# KiCad board poly_kb.kicad_pcb (continued)
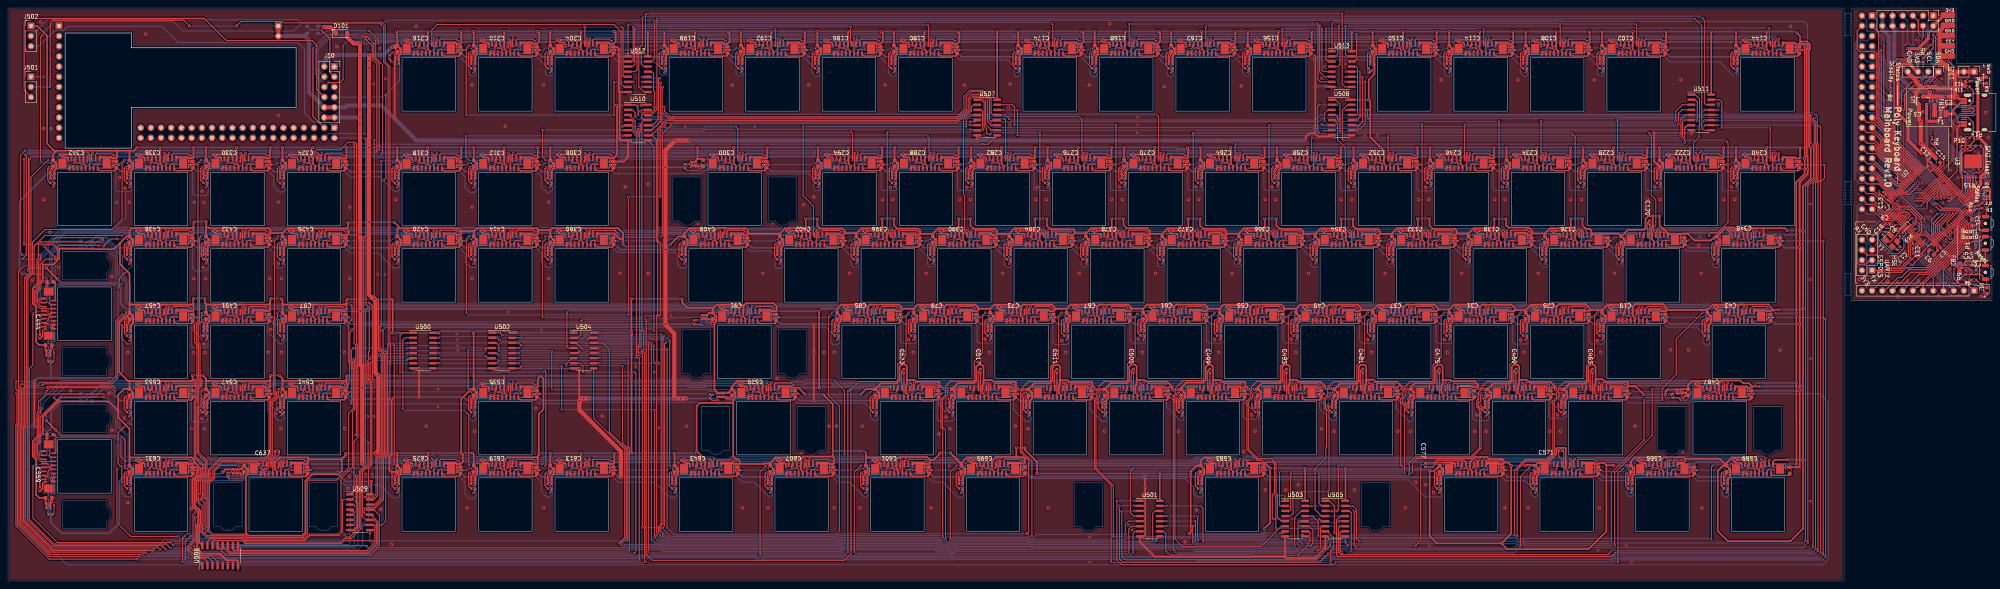
[diagram p0: board, top side]
## Routing (per net, layer and track width the routed paths; a pad name or vN(x,y) marks a point on that pad's centre or on a via; arc(x,y) is an arc through that point) (continued)
  Bottom w0.292: v2(119.76,85.46) 119.92,85.62 120.94,85.62 120.97,85.65 121.6,85.65 v2(122.02,85.23)
Net-(C416-Pad1): length 5.5
  Top w0.292: J153.15 127.71,83.26 130.64,83.26 130.64,83.26 131.44,83.26 131.72,83.54 C416.1
Net-(C419-Pad1): length 12.4
  Top w0.292: C419.1 95.62,80.9 95.62,83.8 v2(95.92,84.11) ; v2(102.18,85.06) 102.18,85.95 J154.4
  Bottom w0.292: v2(95.92,84.11) 96.7,84.88 100.99,84.88 101.17,85.06 v2(102.18,85.06)
Net-(C419-Pad2): length 11.7
  Top w0.292: 102.67,83.82 102.95,83.82 J154.5 ; v2(96.85,79.09) 97.28,79.52 C419.2
  Bottom w0.292: 102.67,83.82 102.51,83.66 97.63,83.66 97.05,83.09 97.05,79.3 v2(96.85,79.09)
  vias: v2(102.67,83.82)
Net-(C420-Pad1): length 4.7
  Top w0.292: C420.1 99.6,87.34 103.04,87.34 103.53,86.86 J154.6
Net-(C420-Pad2): length 8.1
  Top w0.292: J154.7 104.03,84.89 103.69,85.23 v2(102.97,85.23) ; v2(100.71,85.46) 100.71,86.33 100.4,86.64 99.27,86.64 C420.2
  Bottom w0.292: v2(100.71,85.46) 100.87,85.62 101.88,85.62 101.9,85.64 102.55,85.64 v2(102.97,85.23)
Net-(C422-Pad1): length 5.5
  Top w0.292: J154.15 108.66,83.26 111.59,83.26 111.59,83.26 112.39,83.26 112.67,83.54 C422.1
Net-(C425-Pad1): length 12.3
  Top w0.292: C425.1 67.04,80.9 67.04,83.8 v2(67.35,84.11) ; J155.4 73.55,85.9 v2(73.55,85.04)
  Bottom w0.292: v2(73.55,85.04) 72.57,85.04 72.41,84.88 68.12,84.88 v2(67.35,84.11)
Net-(C425-Pad2): length 11.7
  Top w0.292: 74.09,83.82 74.37,83.82 J155.5 ; v2(68.27,79.09) 68.7,79.52 C425.2
  Bottom w0.292: 74.09,83.82 73.93,83.66 69.05,83.66 68.48,83.09 68.48,79.3 v2(68.27,79.09)
  vias: v2(74.09,83.82)
Net-(C426-Pad1): length 4.7
  Top w0.292: C426.1 71.03,87.34 74.47,87.34 74.95,86.86 J155.6
Net-(C426-Pad2): length 8.1
  Top w0.292: J155.7 75.45,84.89 75.11,85.23 v2(74.4,85.23) ; v2(72.13,85.46) 72.13,86.33 71.82,86.64 70.69,86.64 C426.2
  Bottom w0.292: v2(72.13,85.46) 72.29,85.62 73.26,85.62 73.27,85.62 73.83,85.62 74.23,85.23 v2(74.4,85.23)
Net-(C428-Pad1): length 5.5
  Top w0.292: J155.15 80.09,83.26 83.01,83.26 83.01,83.26 83.82,83.26 84.1,83.54 C428.1
Net-(C431-Pad1): length 12.2
  Top w0.292: J156.4 54.54,85.94 v2(54.54,85.06) ; C431.1 48.69,80.4 48.1,80.99 48.1,81.69 48.13,81.71 48.13,83.9 v2(48.33,84.1)
  Bottom w0.292: v2(54.54,85.06) 53.52,85.06 53.32,84.86 49.09,84.86 v2(48.33,84.1)
Net-(C431-Pad2): length 11.6
  Top w0.292: 55.04,83.82 55.32,83.82 J156.5 ; v2(49.22,79.09) 49.65,79.52 C431.2
  Bottom w0.292: 55.04,83.82 54.88,83.66 50.09,83.66 49.22,82.78 v2(49.22,79.09)
  vias: v2(55.04,83.82)
Net-(C432-Pad1): length 4.7
  Top w0.292: C432.1 51.98,87.34 55.42,87.34 55.9,86.86 J156.6
Net-(C432-Pad2): length 8.1
  Top w0.292: J156.7 56.4,84.89 56.06,85.23 v2(55.35,85.23) ; v2(53.09,85.46) 53.09,86.32 52.77,86.64 51.64,86.64 C432.2
  Bottom w0.292: v2(53.09,85.46) 53.25,85.62 54.25,85.62 54.27,85.64 54.82,85.64 55.24,85.23 v2(55.35,85.23)
Net-(C434-Pad1): length 5.5
  Top w0.292: J156.15 61.04,83.26 63.96,83.26 63.96,83.26 64.77,83.26 65.05,83.54 C434.1
Net-(C437-Pad1): length 12.3
  Top w0.292: C437.1 28.94,80.9 28.94,83.8 v2(29.25,84.11) ; v2(35.48,85.06) 35.48,85.93 J157.4
  Bottom w0.292: v2(29.25,84.11) 30,84.86 34.3,84.86 34.49,85.06 v2(35.48,85.06)
Net-(C437-Pad2): length 11.7
  Top w0.292: 35.99,83.82 36.27,83.82 J157.5 ; v2(30.17,79.09) 30.6,79.52 C437.2
  Bottom w0.292: 35.99,83.82 35.83,83.66 30.95,83.66 30.38,83.09 30.38,79.3 v2(30.17,79.09)
  vias: v2(35.99,83.82)
Net-(C438-Pad1): length 4.7
  Top w0.292: C438.1 32.93,87.34 36.37,87.34 36.85,86.86 J157.6
Net-(C438-Pad2): length 8.1
  Top w0.292: J157.7 37.35,84.89 37.01,85.23 v2(36.3,85.23) ; v2(34.04,85.46) 34.04,86.32 33.72,86.64 32.59,86.64 C438.2
  Bottom w0.292: v2(36.3,85.23) 36.17,85.23 35.76,85.64 35.2,85.64 35.18,85.62 34.2,85.62 v2(34.04,85.46)
Net-(C440-Pad1): length 5.5
  Top w0.292: J157.15 41.99,83.26 44.91,83.26 44.91,83.26 45.72,83.26 46,83.54 C440.1
Net-(C443-Pad1): length 11.1
  Top w0.292: 9.99,55.06 v2(9.99,55.23) 9.99,54.71 C443.1 ; J158.4 9.24,64.11 v2(10.12,64.11)
  Bottom w0.292: v2(9.99,55.23) 9.99,63.99 v2(10.12,64.11)
Net-(C443-Pad2): length 10.5
  Top w0.25: v2(11.44,56.95) 11.44,54.99 C443.2
  Top w0.292: 11.42,64.56 11.42,64.84 J158.5
  Bottom w0.25: v2(11.44,56.95) 11.42,56.97 v2(11.42,64.55)
Net-(C444-Pad1): length 4.7
  Top w0.292: C444.1 7.9,61.49 7.9,64.93 8.38,65.41 J158.6
Net-(C444-Pad2): length 7.7
  Top w0.292: v2(10.02,64.86) 10.02,65.58 10.35,65.91 J158.7 ; v2(9.41,62.77) 8.98,62.77 8.6,62.39 8.6,61.16 C444.2
  Bottom w0.292: v2(9.41,62.77) 9.41,64.25 v2(10.02,64.86)
Net-(C446-Pad1): length 5.3
  Top w0.292: J158.15 11.81,70.38 11.81,74.45 11.7,74.56 C446.1
Net-(C450-Pad1): length 12.5
  Top w0.292: C450.1 48.44,61.15 v2(48.18,61.4) ; v2(54.56,66.02) 54.56,66.91 J27.4
  Bottom w0.292: v2(54.56,66.02) 53.73,66.02 53.38,65.66 49.06,65.66 47.87,64.48 47.87,61.71 v2(48.18,61.4)
Net-(C450-Pad2): length 11.7
  Top w0.292: 55.04,64.77 55.32,64.77 J27.5 ; v2(49.22,60.04) 49.65,60.47 C450.2
  Bottom w0.292: 55.04,64.77 54.87,64.6 49.93,64.6 49.41,64.07 49.41,60.22 v2(49.22,60.04)
  vias: v2(55.04,64.77)
Net-(C451-Pad1): length 4.7
  Top w0.292: C451.1 51.98,68.29 55.42,68.29 55.9,67.81 J27.6
Net-(C451-Pad2): length 8.3
  Top w0.292: J27.7 56.4,65.84 56.06,66.18 v2(55.35,66.18) ; v2(53.08,66.27) 53.08,67.28 52.77,67.59 51.64,67.59 C451.2
  Bottom w0.292: v2(53.08,66.27) 53.39,66.57 54.26,66.57 54.28,66.6 54.84,66.6 55.26,66.18 v2(55.35,66.18)
Net-(C453-Pad1): length 5.5
  Top w0.292: J27.15 61.04,64.21 63.96,64.21 63.96,64.21 64.77,64.21 65.05,64.49 C453.1
Net-(C456-Pad1): length 12.3
  Top w0.292: J28.4 35.54,66.93 v2(35.54,66.02) ; C456.1 29.01,61.78 29.01,64.75 v2(29.28,65.02)
  Bottom w0.292: v2(35.54,66.02) 34.51,66.02 34.32,65.83 30.1,65.83 v2(29.28,65.02)
Net-(C456-Pad2): length 11.9
  Top w0.292: 35.99,64.77 36.27,64.77 J28.5 ; C456.2 30.6,60.27 v2(30.22,59.89)
  Bottom w0.292: 35.99,64.77 35.83,64.61 31,64.61 30.38,63.98 30.38,60.04 v2(30.22,59.89)
  vias: v2(35.99,64.77)
Net-(C457-Pad1): length 4.7
  Top w0.292: C457.1 32.93,68.29 36.37,68.29 36.85,67.81 J28.6
Net-(C457-Pad2): length 8.1
  Top w0.292: J28.7 37.35,65.84 37.01,66.18 v2(36.3,66.18) ; C457.2 32.59,67.59 33.72,67.59 34.04,67.27 v2(34.04,66.41)
  Bottom w0.292: v2(34.04,66.41) 34.2,66.57 35.23,66.57 35.26,66.6 35.87,66.6 v2(36.3,66.18)
Net-(C459-Pad1): length 5.5
  Top w0.292: J28.15 41.99,64.21 44.91,64.21 44.91,64.21 45.72,64.21 46,64.49 C459.1
Net-(C462-Pad1): length 12.7
  Top w0.292: v2(392.74,47.03) 392.74,47.9 J29.4 ; v2(386.01,44.25) 386.01,42.64 386.55,42.1 C462.1
  Bottom w0.292: v2(386.01,44.25) 386.01,45.74 386.15,45.87 386.68,45.87 386.83,46.02 387.02,46.02 388.03,47.03 v2(392.74,47.03)
Net-(C462-Pad2): length 11.4
  Top w0.292: 393.18,45.72 393.46,45.72 J29.5 ; C462.2 387.79,41.85 v2(387.19,41.25)
  Bottom w0.292: 393.18,45.72 393.02,45.56 387.91,45.56 387.5,45.15 387.5,41.55 v2(387.19,41.25)
  vias: v2(393.18,45.72)
Net-(C463-Pad1): length 5
  Top w0.254: C463.1 393.97,52.34 393.97,48.26 J29.6
Net-(C463-Pad2): length 6.1
  Top w0.254: C463.2 394.54,51.94 J29.7
Net-(C465-Pad1): length 5.5
  Top w0.292: J29.15 399.17,45.16 402.1,45.16 402.1,45.16 402.9,45.16 403.19,45.44 C465.1
Net-(C468-Pad1): length 12.6
  Top w0.292: v2(373.69,47.03) 373.69,47.9 J30.4 ; v2(366.75,43.69) 367.2,43.24 367.2,42.68 C468.1
  Bottom w0.292: v2(373.69,47.03) 368.69,47.03 367.65,45.98 367.36,45.98 366.75,45.38 v2(366.75,43.69)
Net-(C468-Pad2): length 12.1
  Top w0.292: 374.13,45.72 374.41,45.72 J30.5 ; C468.2 368.74,41.79 v2(367.94,40.99)
  Bottom w0.292: v2(367.94,40.99) 368.24,41.29 368.24,44.99 368.8,45.55 373.96,45.55 374.13,45.72
  vias: v2(374.13,45.72)
Net-(C469-Pad1): length 5
  Top w0.254: C469.1 374.97,52.36 374.97,48.21 J30.6
Net-(C469-Pad2): length 6.2
  Top w0.254: 375.46,52 375.49,51.97 J30.7
Net-(C471-Pad1): length 5.5
  Top w0.292: J30.15 380.12,45.16 383.05,45.16 383.05,45.16 383.85,45.16 384.14,45.44 C471.1
Net-(C474-Pad1): length 12.4
  Top w0.292: v2(354.64,47.03) 354.64,47.9 J31.4 ; C474.1 348.13,42.7 348.13,44.25 v2(347.83,44.55)
  Bottom w0.292: v2(354.64,47.03) 349.68,47.03 348.71,46.06 348.54,46.06 347.83,45.34 v2(347.83,44.55)
Net-(C474-Pad2): length 11.8
  Top w0.292: 355.08,45.72 355.36,45.72 J31.5 ; v2(349.26,40.99) 349.69,41.42 C474.2
  Bottom w0.292: v2(349.26,40.99) 349.48,41.21 349.48,45.17 349.87,45.56 354.92,45.56 355.08,45.72
  vias: v2(355.08,45.72)
Net-(C475-Pad1): length 5.1
  Top w0.254: C475.1 356.41,52.91 355.85,52.34 355.85,48.29 J31.6
Net-(C475-Pad2): length 6.2
  Top w0.254: J31.7 356.44,52 C475.2
Net-(C477-Pad1): length 5.5
  Top w0.292: J31.15 361.07,45.16 364,45.16 364,45.16 364.8,45.16 365.09,45.44 C477.1
Net-(C480-Pad1): length 12.4
  Top w0.292: v2(335.59,47.03) 335.59,47.9 J32.4 ; C480.1 328.8,42.97 v2(328.8,43.97)
  Bottom w0.292: v2(335.59,47.03) 334.5,47.03 334.2,46.72 330.51,46.72 329.74,45.96 329.45,45.96 328.8,45.31 v2(328.8,43.97)
Net-(C480-Pad2): length 11.8
  Top w0.292: 336.03,45.72 336.31,45.72 J32.5 ; v2(330.21,40.99) 330.64,41.42 C480.2
  Bottom w0.292: v2(330.21,40.99) 330.38,41.16 330.38,45.07 330.87,45.56 335.87,45.56 336.03,45.72
  vias: v2(336.03,45.72)
Net-(C481-Pad1): length 5
  Top w0.254: C481.1 336.82,52.39 336.82,48.26 J32.6
Net-(C481-Pad2): length 6.2
  Top w0.254: J32.7 C481.2
Net-(C483-Pad1): length 5.5
  Top w0.292: J32.15 342.02,45.16 344.95,45.16 344.95,45.16 345.75,45.16 346.04,45.44 C483.1
Net-(C486-Pad1): length 12.4
  Top w0.292: J33.4 423.67,47.88 v2(423.67,46.97) ; v2(413.72,46.53) 414.4,46.53 C486.1
  Bottom w0.292: v2(413.72,46.53) 413.94,46.76 422.44,46.76 422.65,46.97 v2(423.67,46.97)
Net-(C486-Pad2): length 10.6
  Top w0.292: 424.14,45.72 424.42,45.72 J33.5 ; v2(416.61,45.03) 415.95,45.7 C486.2
  Bottom w0.292: 424.14,45.72 423.98,45.56 418.35,45.56 417.83,45.03 ; 417.83,45.03 v2(416.61,45.03) ; 417.83,45.03 417.86,45.06
  vias: v2(424.14,45.72)
Net-(C487-Pad1): length 4.7
  Top w0.292: C487.1 421.07,49.24 424.51,49.24 424.99,48.76 J33.6
Net-(C487-Pad2): length 8.1
  Top w0.292: J33.7 425.49,46.79 425.16,47.13 v2(424.44,47.13) ; v2(422.19,47.37) 422.19,48.22 421.87,48.54 420.74,48.54 C487.2
  Bottom w0.292: v2(422.19,47.37) 422.35,47.53 423.37,47.53 423.39,47.55 424.01,47.55 v2(424.44,47.13)
Net-(C489-Pad1): length 5.5
  Top w0.292: J33.15 430.13,45.16 433.06,45.16 433.06,45.16 433.86,45.16 434.14,45.44 C489.1
Net-(C492-Pad1): length 12.5
  Top w0.292: v2(316.54,47.03) 316.54,47.9 J34.4 ; v2(309.78,43.92) 309.78,42.95 C492.1
  Bottom w0.292: v2(309.78,43.92) 309.78,45.51 310.32,46.06 310.78,46.06 311.75,47.03 v2(316.54,47.03)
Net-(C492-Pad2): length 11.9
  Top w0.292: 316.98,45.72 317.26,45.72 J34.5 ; C492.2 311.59,41.46 v2(311.12,40.99)
  Bottom w0.292: v2(311.12,40.99) 311.28,41.15 311.28,45.18 311.65,45.55 316.81,45.55 316.98,45.72
  vias: v2(316.98,45.72)
Net-(C493-Pad1): length 5
  Top w0.254: J34.6 317.77,48.26 317.77,52.34 C493.1
Net-(C493-Pad2): length 6.1
  Top w0.254: C493.2 318.34,49.06 318.34,49.06 J34.7
Net-(C495-Pad1): length 5.5
  Top w0.292: J34.15 322.97,45.16 325.9,45.16 325.9,45.16 326.7,45.16 326.99,45.44 C495.1
Net-(C498-Pad1): length 12.2
  Top w0.292: v2(297.49,47.03) 297.49,47.9 J35.4 ; v2(291.01,45.66) 290.98,45.62 290.98,42.7 C498.1
  Bottom w0.292: v2(291.01,45.66) 291.16,45.81 291.66,45.81 292.88,47.03 v2(297.49,47.03)
Net-(C498-Pad2): length 11.7
  Top w0.292: 297.93,45.72 298.21,45.72 J35.5 ; v2(292.11,40.99) 292.54,41.42 C498.2
  Bottom w0.292: v2(292.11,40.99) 292.33,41.21 292.33,45.05 292.84,45.56 297.77,45.56 297.93,45.72
  vias: v2(297.93,45.72)
Net-(C499-Pad1): length 5
  Top w0.254: C499.1 298.72,52.34 298.72,48.26 J35.6
Net-(C499-Pad2): length 6.1
  Top w0.254: C499.2 J35.7
Net-(C501-Pad1): length 5.5
  Top w0.292: J35.15 303.92,45.16 306.85,45.16 306.85,45.16 307.65,45.16 307.94,45.44 C501.1
Net-(C504-Pad1): length 12.7
  Top w0.292: v2(278.44,47.03) 278.44,47.9 J36.4 ; C504.1 271.47,43.15 v2(271.47,45.01)
  Bottom w0.292: v2(278.44,47.03) 273.65,47.03 272.35,45.73 271.76,45.73 271.47,45.44 v2(271.47,45.01)
Net-(C504-Pad2): length 11.9
  Top w0.292: 278.88,45.72 279.16,45.72 J36.5 ; C504.2 273.49,41.56 v2(272.92,40.99)
  Bottom w0.292: v2(272.92,40.99) 273.08,41.15 273.08,44.92 273.72,45.56 278.72,45.56 278.88,45.72
  vias: v2(278.88,45.72)
Net-(C505-Pad1): length 5
  Top w0.254: J36.6 279.67,48.26 279.67,52.36 C505.1
Net-(C505-Pad2): length 6.2
  Top w0.254: C505.2 280.24,51.97 J36.7
Net-(C507-Pad1): length 5.5
  Top w0.292: J36.15 284.87,45.16 287.8,45.16 287.8,45.16 288.6,45.16 288.89,45.44 C507.1
Net-(C510-Pad1): length 12.1
  Top w0.292: v2(259.39,47.01) 259.39,47.9 J37.4 ; v2(253.09,45.79) 252.9,45.6 252.9,42.68 C510.1
  Bottom w0.292: v2(253.09,45.79) 253.24,45.95 253.47,45.95 254.53,47.01 v2(259.39,47.01)
Net-(C510-Pad2): length 11.5
  Top w0.292: 259.83,45.72 260.11,45.72 J37.5 ; v2(254.01,40.99) 254.44,41.42 C510.2
  Bottom w0.292: 259.83,45.72 259.67,45.56 255.02,45.56 254.01,44.54 v2(254.01,40.99)
  vias: v2(259.83,45.72)
Net-(C511-Pad1): length 5
  Top w0.25: J37.6 260.57,48.31 260.57,52.24 C511.1
Net-(C511-Pad2): length 6.1
  Top w0.254: C511.2 261.19,49.46
  Top w0.292: J37.7 261.19,49.46
Net-(C513-Pad1): length 5.5
  Top w0.292: J37.15 265.82,45.16 268.75,45.16 268.75,45.16 269.55,45.16 269.84,45.44 C513.1
Net-(C516-Pad1): length 12.5
  Top w0.292: v2(233.58,43.13) 233.58,42.95 C516.1 ; v2(240.34,47.01) 240.34,47.9 J38.4
  Bottom w0.292: v2(240.34,47.01) 236.75,47.01 236.3,46.56 234.64,46.56 233.58,45.5 v2(233.58,43.13)
Net-(C516-Pad2): length 11.8
  Top w0.292: 240.78,45.72 241.06,45.72 J38.5 ; v2(234.96,40.99) 235.39,41.42 C516.2
  Bottom w0.292: 240.78,45.72 240.61,45.55 235.48,45.55 235.13,45.2 235.13,41.16 v2(234.96,40.99)
  vias: v2(240.78,45.72)
Net-(C517-Pad1): length 5.5
  Top w0.254: C517.1 241.57,52.26 241.57,48.26 J38.6
  Top w0.292: J38.6 241.64,48.76
Net-(C517-Pad2): length 6.1
  Top w0.254: C517.2 J38.7
Net-(C519-Pad1): length 5.5
  Top w0.292: J38.15 246.77,45.16 249.7,45.16 249.7,45.16 250.5,45.16 250.79,45.44 C519.1
Net-(C522-Pad1): length 12.4
  Top w0.292: C522.1 214.68,42.8 214.68,45.7 v2(214.99,46.01) ; v2(221.3,46.98) 221.3,47.91 J39.4
  Bottom w0.292: v2(214.99,46.01) 215.96,46.98 v2(221.3,46.98)
Net-(C522-Pad2): length 11.7
  Top w0.292: 221.73,45.72 222.01,45.72 J39.5 ; v2(215.91,40.99) 216.34,41.42 C522.2
  Bottom w0.292: 221.73,45.72 221.57,45.56 216.69,45.56 216.12,44.99 216.12,41.2 v2(215.91,40.99)
  vias: v2(221.73,45.72)
Net-(C523-Pad1): length 4.9
  Top w0.254: 223.09,52.81 223.09,52.81 ; J39.6 222.5,48.29 222.5,52.26 C523.1
Net-(C523-Pad2): length 6.1
  Top w0.254: J39.7 223.09,51.84 C523.2
Net-(C525-Pad1): length 5.5
  Top w0.292: J39.15 227.72,45.16 230.65,45.16 230.65,45.16 231.45,45.16 231.74,45.44 C525.1
Net-(C528-Pad1): length 12.4
  Top w0.292: v2(175.56,46.44) 174.87,46.44 C528.1 ; v2(185.53,46.96) 185.53,47.85 J40.4
  Bottom w0.292: v2(175.56,46.44) 175.88,46.76 184.32,46.76 184.52,46.96 v2(185.53,46.96)
Net-(C528-Pad2): length 12.3
  Top w0.25: v2(176.83,45.05) 175.31,45.05 C528.2
  Top w0.292: 186.01,45.72 186.29,45.72 J40.5
  Bottom w0.25: v2(176.83,45.05) 177.04,44.84 180.25,44.84 180.4,44.99
  Bottom w0.292: 186.01,45.72 185.85,45.56 180.97,45.56 180.4,44.99
  vias: v2(186.01,45.72)
Net-(C529-Pad1): length 4.7
  Top w0.292: C529.1 182.95,49.24 186.39,49.24 186.87,48.76 J40.6
Net-(C529-Pad2): length 8.1
  Top w0.292: J40.7 187.37,46.79 187.03,47.13 v2(186.31,47.13) ; C529.2 182.61,48.54 183.74,48.54 184.06,48.22 v2(184.06,47.36)
  Bottom w0.292: v2(186.31,47.13) 186.22,47.13 185.8,47.55 185.25,47.55 185.22,47.52 184.22,47.52 v2(184.06,47.36)
Net-(C531-Pad1): length 5.5
  Top w0.292: J40.15 192,45.16 194.93,45.16 194.93,45.16 195.74,45.16 196.02,45.44 C531.1
Net-(C534-Pad1): length 12.3
  Top w0.292: v2(121.28,47.03) 121.28,47.9 J41.4 ; C534.1 114.67,42.8 114.67,45.7 v2(114.97,46.01)
  Bottom w0.292: v2(114.97,46.01) 115.73,46.76 119.93,46.76 120.19,47.03 v2(121.28,47.03)
Net-(C534-Pad2): length 11.7
  Top w0.292: 121.72,45.72 122,45.72 J41.5 ; v2(115.9,40.99) 116.33,41.42 C534.2
  Bottom w0.292: 121.72,45.72 121.56,45.56 116.68,45.56 116.1,44.99 116.1,41.2 v2(115.9,40.99)
  vias: v2(121.72,45.72)
Net-(C535-Pad1): length 4.7
  Top w0.292: C535.1 118.65,49.24 122.09,49.24 122.57,48.76 J41.6
Net-(C535-Pad2): length 8
  Top w0.292: J41.7 123.07,46.79 122.74,47.13 v2(122.02,47.13) ; C535.2 118.32,48.54 119.45,48.54 119.77,48.22 v2(119.77,47.48)
  Bottom w0.292: v2(119.77,47.48) 119.93,47.64 121.51,47.64 v2(122.02,47.13)
Net-(C537-Pad1): length 5.5
  Top w0.292: J41.15 127.71,45.16 130.64,45.16 130.64,45.16 131.44,45.16 131.72,45.44 C537.1
Net-(C540-Pad1): length 12.3
  Top w0.292: C540.1 66.97,42.87 v2(66.97,43.27) ; J42.4 73.53,47.78 v2(73.53,46.94)
  Bottom w0.292: v2(73.53,46.94) 72.59,46.94 72.41,46.76 68.19,46.76 66.97,45.55 v2(66.97,43.27)
Net-(C540-Pad2): length 12
  Top w0.292: 74.09,45.72 74.37,45.72 J42.5 ; v2(67.86,41.03) 68.7,41.88 C540.2
  Bottom w0.292: v2(67.86,41.03) 68.17,41.34 68.17,44.81 68.92,45.56 73.93,45.56 74.09,45.72
  vias: v2(74.09,45.72)
Net-(C541-Pad1): length 4.7
  Top w0.292: C541.1 71.03,49.24 74.47,49.24 74.95,48.76 J42.6
Net-(C541-Pad2): length 8
  Top w0.292: J42.7 75.45,46.79 75.11,47.13 v2(74.4,47.13) ; v2(72.16,47.37) 72.16,48.21 71.82,48.54 70.69,48.54 C541.2
  Bottom w0.292: v2(72.16,47.37) 72.33,47.54 73.98,47.54 v2(74.4,47.13)
Net-(C543-Pad1): length 5.5
  Top w0.292: J42.15 80.09,45.16 83.01,45.16 83.01,45.16 83.82,45.16 84.1,45.44 C543.1
Net-(C546-Pad1): length 12.4
  Top w0.292: v2(48.06,42.52) 48.48,42.1 C546.1 ; v2(54.52,46.95) 54.52,47.82 J43.4
  Bottom w0.292: v2(48.06,42.52) 48.06,45.68 49.08,46.71 53.45,46.71 53.7,46.95 v2(54.52,46.95)
Net-(C546-Pad2): length 11.5
  Top w0.292: 55.04,45.72 55.32,45.72 J43.5 ; C546.2 49.65,41.8 v2(49.04,41.19)
  Bottom w0.292: 55.04,45.72 54.87,45.55 49.86,45.55 49.28,44.97 49.28,41.42 v2(49.04,41.19)
  vias: v2(55.04,45.72)
Net-(C547-Pad1): length 4.7
  Top w0.292: C547.1 51.98,49.24 55.42,49.24 55.9,48.76 J43.6
Net-(C547-Pad2): length 8.1
  Top w0.292: J43.7 56.4,46.79 56.06,47.13 v2(55.35,47.13) ; v2(53.17,47.29) 53.17,48.15 52.77,48.54 51.64,48.54 C547.2
  Bottom w0.292: v2(53.17,47.29) 53.41,47.52 54.23,47.52 54.25,47.53 54.8,47.53 55.21,47.13 v2(55.35,47.13)
Net-(C549-Pad1): length 5.5
  Top w0.292: J43.15 61.04,45.16 63.96,45.16 63.96,45.16 64.77,45.16 65.05,45.44 C549.1
Net-(C552-Pad1): length 12.3
  Top w0.292: C552.1 28.94,42.8 28.94,45.7 v2(29.25,46.01) ; J44.4 35.38,47.73 v2(35.38,46.93)
  Bottom w0.292: v2(29.25,46.01) 30.02,46.78 34.34,46.78 34.49,46.93 v2(35.38,46.93)
Net-(C552-Pad2): length 11.7
  Top w0.292: 35.99,45.72 36.27,45.72 J44.5 ; v2(30.17,40.99) 30.6,41.42 C552.2
  Bottom w0.292: 35.99,45.72 35.83,45.56 30.95,45.56 30.38,44.99 30.38,41.2 v2(30.17,40.99)
  vias: v2(35.99,45.72)
Net-(C553-Pad1): length 4.7
  Top w0.292: C553.1 32.93,49.24 36.37,49.24 36.85,48.76 J44.6
Net-(C553-Pad2): length 8
  Top w0.292: J44.7 37.35,46.79 37.01,47.13 v2(36.3,47.13) ; v2(34.06,47.36) 34.06,48.21 33.72,48.54 32.59,48.54 C553.2
  Bottom w0.292: v2(34.06,47.36) 34.22,47.52 35.9,47.52 v2(36.3,47.13)
Net-(C555-Pad1): length 5.5
  Top w0.292: J44.15 42.03,45.12 45.67,45.12 46,45.44 C555.1
Net-(C558-Pad1): length 11.1
  Top w0.292: J45.4 9.25,26.03 v2(10.12,26.03) ; 10,16.97 v2(10,17.14) 10,16.63 C558.1
  Bottom w0.292: v2(10.12,26.03) 10,25.9 v2(10,17.14)
Net-(C558-Pad2): length 10.5
  Top w0.25: C558.2 11.45,16.91 v2(11.45,18.86)
  Top w0.292: 11.43,26.47 11.43,26.75 J45.5
  Bottom w0.25: v2(11.45,18.86) 11.43,18.88 v2(11.43,26.47)
Net-(C559-Pad1): length 4.7
  Top w0.292: J45.6 8.39,27.33 7.91,26.84 7.91,23.4 C559.1
Net-(C559-Pad2): length 7.7
  Top w0.292: J45.7 10.36,27.83 10.02,27.49 v2(10.02,26.77) ; C559.2 8.61,23.07 8.61,24.3 8.99,24.69 v2(9.42,24.69)
  Bottom w0.292: v2(10.02,26.77) 9.42,26.17 v2(9.42,24.69)
Net-(C561-Pad1): length 5.4
  Top w0.292: C561.1 11.71,36.47 11.91,36.27 11.91,32.39 J45.15
Net-(C564-Pad1): length 12.3
  Top w0.292: v2(409.41,27.98) 409.41,28.85 J46.4 ; C564.1 402.8,23.75 402.8,26.65 v2(403.1,26.96)
  Bottom w0.292: v2(409.41,27.98) 408.32,27.98 408.06,27.71 404.03,27.71 403.28,26.96 v2(403.1,26.96)
Net-(C564-Pad2): length 11.7
  Top w0.292: 409.85,26.67 410.13,26.67 J46.5 ; v2(404.03,21.94) 404.46,22.37 C564.2
  Bottom w0.292: 409.85,26.67 409.69,26.51 404.81,26.51 404.24,25.94 404.24,22.15 v2(404.03,21.94)
  vias: v2(409.85,26.67)
Net-(C565-Pad1): length 4.7
  Top w0.292: C565.1 406.78,30.19 410.22,30.19 410.71,29.71 J46.6
Net-(C565-Pad2): length 8
  Top w0.292: J46.7 411.21,27.74 410.87,28.08 v2(410.15,28.08) ; C565.2 406.45,29.49 407.58,29.49 407.9,29.17 v2(407.9,28.43)
  Bottom w0.292: v2(407.9,28.43) 408.06,28.59 409.64,28.59 v2(410.15,28.08)
Net-(C567-Pad1): length 5.5
  Top w0.292: J46.15 415.84,26.11 418.77,26.11 418.77,26.11 419.57,26.11 419.86,26.39 C567.1
Net-(C570-Pad1): length 12.3
  Top w0.292: v2(385.6,27.98) 385.6,28.85 J47.4 ; v2(379.29,26.88) 378.99,26.58 378.99,23.75 C570.1
  Bottom w0.292: v2(379.29,26.88) 379.45,27.04 379.77,27.04 380.44,27.71 384.24,27.71 384.51,27.98 v2(385.6,27.98)
Net-(C570-Pad2): length 11.6
  Top w0.292: 386.04,26.67 386.32,26.67 J47.5 ; v2(380.21,21.94) 380.65,22.37 C570.2
  Bottom w0.292: 386.04,26.67 385.88,26.51 381.1,26.51 380.21,25.62 v2(380.21,21.94)
  vias: v2(386.04,26.67)
Net-(C571-Pad1): length 3.7
  Top w0.254: J47.6 386.89,30.38 386.13,31.14 C571.1
Net-(C571-Pad2): length 5.9
  Top w0.254: J47.7 387.39,32.26 C571.2
Net-(C573-Pad1): length 5.5
  Top w0.292: J47.15 392.03,26.11 394.96,26.11 394.96,26.11 395.76,26.11 396.04,26.39 C573.1
Net-(C576-Pad1): length 12.3
  Top w0.292: C576.1 355.19,23.73 355.19,26.62 v2(355.5,26.92) ; v2(361.78,27.93) 361.78,28.85 J48.4
  Bottom w0.292: v2(355.5,26.92) 356.28,27.71 360.48,27.71 360.69,27.93 v2(361.78,27.93)
Net-(C576-Pad2): length 11.6
  Top w0.292: 362.23,26.67 362.5,26.67 J48.5 ; v2(356.4,21.94) 356.84,22.37 C576.2
  Bottom w0.292: v2(356.4,21.94) 356.4,25.65 357.26,26.51 362.06,26.51 362.23,26.67
  vias: v2(362.22,26.67)
Net-(C577-Pad1): length 11.1
  Top w0.292: C577.1 355.14,29.41 355.85,30.12 362.5,30.12 363.08,29.54 J48.6
Net-(C577-Pad2): length 13.4
  Top w0.292: J48.7 363.58,27.74 363.25,28.08 v2(362.53,28.08) ; C577.2 354.77,28.45 355.82,29.5 359.95,29.5 360.28,29.17 v2(360.28,28.34)
  Bottom w0.292: v2(360.28,28.34) 360.43,28.5 361.49,28.5 361.5,28.51 362.1,28.51 v2(362.53,28.08)
Net-(C579-Pad1): length 5.5
  Top w0.292: J48.15 368.22,26.11 371.14,26.11 371.15,26.11 371.95,26.11 372.23,26.39 C579.1
Net-(C582-Pad1): length 12.3
  Top w0.292: C582.1 295.64,23.75 295.64,26.65 v2(295.95,26.96) ; J49.4 302.13,28.73 v2(302.13,27.89)
  Bottom w0.292: v2(295.95,26.96) 296.6,27.61 301.14,27.61 301.42,27.89 v2(302.13,27.89)
Net-(C582-Pad2): length 11.7
  Top w0.292: 302.69,26.67 302.97,26.67 J49.5 ; v2(296.87,21.94) 297.3,22.37 C582.2
  Bottom w0.292: v2(296.87,21.94) 297.08,22.15 297.08,25.94 297.59,26.45 301.94,26.45 302.16,26.67 302.69,26.67
  vias: v2(302.69,26.67)
Net-(C583-Pad1): length 4.7
  Top w0.292: C583.1 299.63,30.19 303.07,30.19 303.55,29.71 J49.6
Net-(C583-Pad2): length 8.2
  Top w0.292: J49.7 304.05,27.74 303.71,28.08 v2(303,28.08) ; C583.2 299.29,29.49 300.42,29.49 300.74,29.18 v2(300.74,28.19)
  Bottom w0.292: v2(303,28.08) 302.6,28.47 301.01,28.47 v2(300.74,28.19)
Net-(C585-Pad1): length 5.5
  Top w0.292: J49.15 308.69,26.11 311.61,26.11 311.61,26.11 312.42,26.11 312.7,26.39 C585.1
Net-(C588-Pad1): length 12.4
  Top w0.292: C588.1 426.61,23.75 426.61,26.65 v2(426.92,26.96) ; v2(433.18,27.92) 433.18,28.81 J50.4
  Bottom w0.292: v2(433.18,27.92) 432.29,27.92 431.98,27.6 427.56,27.6 v2(426.92,26.96)
Net-(C588-Pad2): length 11.7
  Top w0.292: 433.66,26.67 433.94,26.67 J50.5 ; v2(427.84,21.94) 428.27,22.37 C588.2
  Bottom w0.292: 433.66,26.67 433.5,26.51 428.62,26.51 428.05,25.94 428.05,22.15 v2(427.84,21.94)
  vias: v2(433.66,26.67)
Net-(C589-Pad1): length 4.7
  Top w0.292: C589.1 430.6,30.19 434.04,30.19 434.52,29.71 J50.6
Net-(C589-Pad2): length 8.3
  Top w0.292: J50.7 435.02,27.74 434.68,28.08 v2(433.96,28.08) ; C589.2 430.26,29.49 431.39,29.49 431.71,29.18 v2(431.71,28.18)
  Bottom w0.292: v2(433.96,28.08) 433.54,28.5 432.9,28.5 432.75,28.34 431.87,28.34 v2(431.71,28.18)
Net-(C591-Pad1): length 5.3
  Top w0.292: C591.1 443.67,26.39 443.56,26.29 439.48,26.29 J50.15
Net-(C594-Pad1): length 12.3
  Top w0.292: C594.1 236.11,23.75 236.11,26.65 v2(236.42,26.96) ; v2(242.57,27.89) 242.57,28.7 J51.4
  Bottom w0.292: v2(242.57,27.89) 241.65,27.89 241.49,27.73 237.19,27.73 v2(236.42,26.96)
Net-(C594-Pad2): length 11.7
  Top w0.292: 243.16,26.67 243.44,26.67 J51.5 ; v2(237.34,21.94) 237.77,22.37 C594.2
  Bottom w0.292: 243.16,26.67 243,26.51 238.12,26.51 237.55,25.94 237.55,22.15 v2(237.34,21.94)
  vias: v2(243.16,26.67)
Net-(C595-Pad1): length 4.7
  Top w0.292: C595.1 240.1,30.19 243.54,30.19 244.02,29.71 J51.6
Net-(C595-Pad2): length 8
  Top w0.292: J51.7 244.52,27.74 244.18,28.08 v2(243.46,28.08) ; v2(241.21,28.32) 241.21,29.17 240.89,29.49 239.76,29.49 C595.2
  Bottom w0.292: v2(243.46,28.08) 243.07,28.47 241.37,28.47 v2(241.21,28.32)
